# Allegro board TDI_KU5P_QSFP28_CXP_V001-20240805_1841.brd (continued)
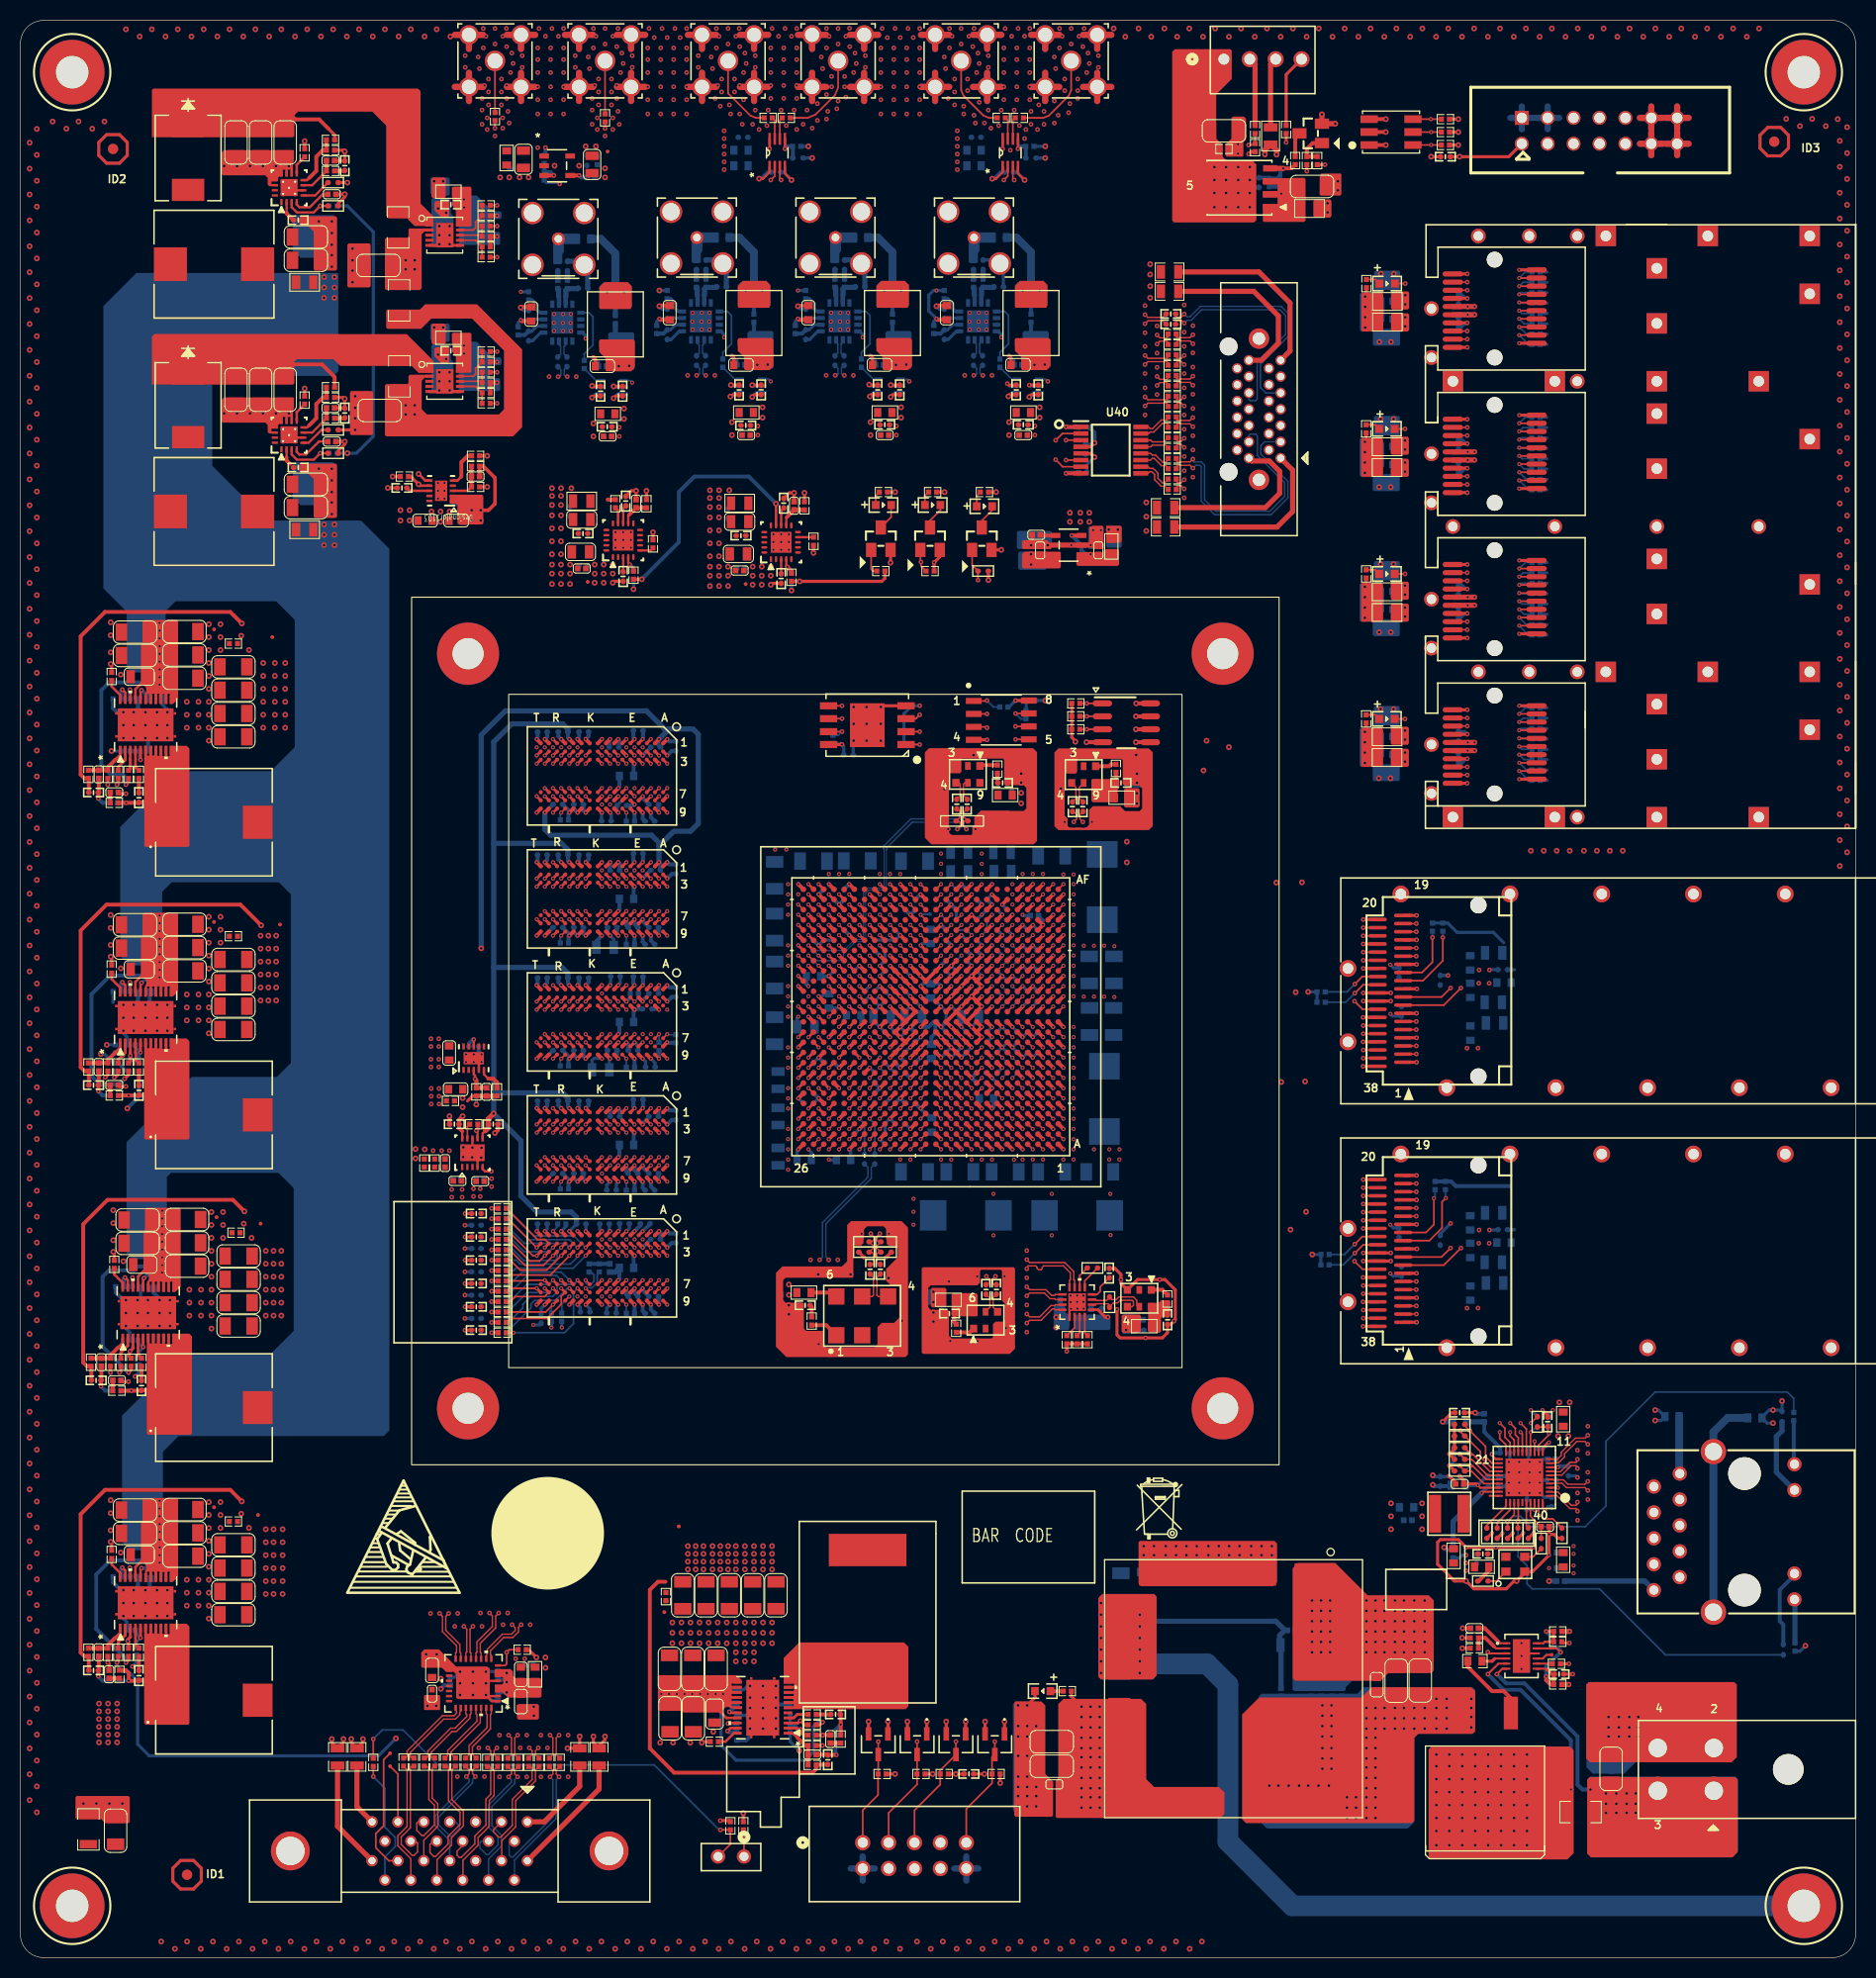
[diagram p0: board, top side]
## Footprints (pads in the part's own frame, mm; a bottom-side part is the same pattern mirrored in y, then rotated) (continued)
HD-BNC_5PIN
  round 1.27 hole 0.762: 1(0,0)
  round 2.21 hole 1.702: 2(-2.54,2.54) 3(-2.54,-2.54) 4(2.54,-2.54) 5(2.54,2.54)
IHLP4040DZERR
  rect 2.921x3.251 smd: 1(-4.28,0) 2(4.28,0)
KRJ-320DNL_14P
  round 3.2 hole 3.2 unplated: (-5.715,0) (5.715,0)
  round 1.4 hole 0.899: 1(-5.715,8.89) 2(-4.445,6.35) 3(-3.175,8.89) 4(-1.905,6.35) 5(-0.635,8.89) 6(0.635,6.35) 7(1.905,8.89) 8(3.175,6.35) 9(4.445,8.89) 10(5.715,6.35) 11(-6.629,-4.9) 12(-4.089,-4.9) 13(4.089,-4.9) 14(6.629,-4.9)
  round 2.499 hole 1.699: 17(7.874,3.051) 18(-7.874,3.051)
L0402
  rect 0.508x0.508 smd: 1(-0.401,0) 2(0.401,0)
L0603
  rect 0.711x0.889 smd: 1(-0.701,0) 2(0.701,0)
L0805
  rect 0.813x1.346 smd: 1(-0.851,0) 2(0.851,0)
LED_0603
  rect 0.759x0.8 smd: 1(-0.759,0) 2(0.759,0)
LMK1D1204RGT
  rect 0.813x0.254 smd: 1(-1.448,0.749) 2(-1.448,0.249) 3(-1.448,-0.249) 4(-1.448,-0.749) 9(1.448,-0.749) 10(1.448,-0.249) 11(1.448,0.249) 12(1.448,0.749)
  rect 0.254x0.813 smd: 5(-0.749,-1.448) 6(-0.249,-1.448) 7(0.249,-1.448) 8(0.749,-1.448) 13(0.749,1.448) 14(0.249,1.448) 15(-0.249,1.448) 16(-0.749,1.448)
  rect 1.727x1.727 smd: 17(0,0)
LT4356HDE-1
  rect 0.711x0.203 smd: 1(-1.45,1.25) 2(-1.45,0.749) 3(-1.45,0.249) 4(-1.45,-0.249) 5(-1.45,-0.749) 6(-1.45,-1.25) 7(1.45,-1.25) 8(1.45,-0.749) 9(1.45,-0.249) 10(1.45,0.249) 11(1.45,0.749) 12(1.45,1.25)
  rect 1.702x3.302 smd: 13(0,0)
MH_250H125
  round 6.35 hole 3.175: 1(0,0)
MT25QU512ABB1EW9
  rect 1.699x0.701 smd: 1(-3.8,1.9) 2(-3.8,0.64) 3(-3.8,-0.64) 4(-3.8,-1.9) 5(3.8,-1.9) 6(3.8,-0.64) 7(3.8,0.64) 8(3.8,1.9)
  rect 3.401x4.3 smd: 9(0,0)
NDS331N
  rect 1.016x1.397 smd: 1(-0.95,-1.1) 2(0.95,-1.1) 3(0,1.1)
NRS4018T2R2MDGJ
  rect 1.199x3.701 smd: 1(-1.4,0) 2(1.4,0)
PA0513_441NLT
  rect 3.175x7.62 smd: 1(-6.195,0) 2(5.994,0)
POWERPAK_SO-8
  rect 1.397x0.635 smd: 1(-3.005,1.905) 2(-3.005,0.635) 3(-3.005,-0.635) 4(-3.005,-1.905)
  custom 5.202x4.801 smd: 5(1.113,0)
  round 0.254 smd: 6(3.299,-0.701) 7(3.299,0.569) 8(3.299,1.839)
PSMN1R1
  rect 10.795x10.414 smd: D(0,1.016)
  rect 1.4x3.2 smd: G(-2.54,-7.684) S(2.54,-7.684)
QFN_4X4MM_EQCO125
  rect 0.724x0.401 smd: 1(-1.814,0.975) 2(-1.814,0.325) 3(-1.814,-0.325) 4(-1.814,-0.975) 9(1.814,-0.975) 10(1.814,-0.325) 11(1.814,0.325) 12(1.814,0.975)
  rect 0.401x0.724 smd: 5(-0.975,-1.814) 6(-0.325,-1.814) 7(0.325,-1.814) 8(0.975,-1.814) 13(0.975,1.814) 14(0.325,1.814) 15(-0.325,1.814) 16(-0.975,1.814)
  rect 2.149x2.149 smd: 17(0,0)
QPI-5LZ
  rect 3.277x2.184 smd: 1(-7.62,-11.201) 2(-2.54,-11.201) 3(2.54,-11.201) 4(7.62,-11.201) 9(7.62,11.201) 10(2.54,11.201) 11(-2.54,11.201) 12(-7.62,11.201)
  rect 2.184x3.277 smd: 5(11.201,-7.62) 6(11.201,-2.54) 7(11.201,2.54) 8(11.201,7.62) 13(-11.201,7.62) 14(-11.201,2.54) 15(-11.201,-2.54) 16(-11.201,-7.62)
QSFP_38
  round 1.6 hole 1.6 unplated: (-1.4,-7.371) (15.4,-7.371)
  oval 0.356x1.803 smd: 1(0,0) 2(0.8,0) 3(1.6,0) 4(2.4,0) 5(3.2,0) 6(4,0) 7(4.801,0) 8(5.601,0) 9(6.401,0) 10(7.201,0) 11(8.001,0) 12(8.801,0) 13(9.601,0) 14(10.399,0) 15(11.199,0) 16(11.999,0) 17(12.799,0) 18(13.599,0) 19(14.399,0) 20(14,2.51) 21(13.2,2.51) 22(12.4,2.51) 23(11.6,2.51) 24(10.8,2.51) 25(10,2.51) 26(9.2,2.51) 27(8.4,2.51) 28(7.6,2.51) 29(6.8,2.51) 30(5.999,2.51) 31(5.199,2.51) 32(4.399,2.51) 33(3.599,2.51) 34(2.799,2.51) 35(1.999,2.51) 36(1.199,2.51) 37(0.401,2.51) 38(-0.401,2.51)
R0402
  rect 0.508x0.508 smd: 1(-0.401,0) 2(0.401,0)
R0402_BGA
  custom 0.559x0.508 smd: 1(-0.508,0) 2(0.508,0)
R0603
  rect 0.711x0.889 smd: 1(-0.701,0) 2(0.701,0)
R0805
  rect 0.813x1.346 smd: 1(-0.851,0) 2(0.851,0)
R1206
  rect 0.838x1.702 smd: 1(-1.45,0) 2(1.45,0)
RF2-04A-T-00-50-G
  round 2.007 hole 1.499: 1(0,0)
  round 1.905 hole 1.397: 2(-2.553,2.553) 3(-2.553,-2.553) 4(2.553,-2.553) 5(2.553,2.553)
RTE0016C
  rect 0.599x0.239 smd: 1(-1.4,0.749) 2(-1.4,0.249) 3(-1.4,-0.249) 4(-1.4,-0.749) 9(1.4,-0.749) 10(1.4,-0.249) 11(1.4,0.249) 12(1.4,0.749)
  rect 0.239x0.599 smd: 5(-0.749,-1.4) 6(-0.249,-1.4) 7(0.249,-1.4) 8(0.749,-1.4) 13(0.749,1.4) 14(0.249,1.4) 15(-0.249,1.4) 16(-0.749,1.4)
  rect 1.679x1.679 smd: 17(0.025,0)
  round 0.5 hole 0.203: 18(0.589,0.589) 19(0.589,-0.589) 20(-0.589,-0.589) 21(-0.589,0.589) 22(0,0)
RTL8211FI-CG
  rect 0.701x0.201 smd: 1(-2.451,1.801) 2(-2.451,1.4) 3(-2.451,1.001) 4(-2.451,0.599) 5(-2.451,0.201) 6(-2.451,-0.201) 7(-2.451,-0.599) 8(-2.451,-1.001) 9(-2.451,-1.4) 10(-2.451,-1.801) 21(2.451,-1.801) 22(2.451,-1.4) 23(2.451,-1.001) 24(2.451,-0.599) 25(2.451,-0.201) 26(2.451,0.201) 27(2.451,0.599) 28(2.451,1.001) 29(2.451,1.4) 30(2.451,1.801)
  rect 0.201x0.701 smd: 11(-1.801,-2.451) 12(-1.4,-2.451) 13(-1.001,-2.451) 14(-0.599,-2.451) 15(-0.201,-2.451) 16(0.201,-2.451) 17(0.599,-2.451) 18(1.001,-2.451) 19(1.4,-2.451) 20(1.801,-2.451) 31(1.801,2.451) 32(1.4,2.451) 33(1.001,2.451) 34(0.599,2.451) 35(0.201,2.451) 36(-0.201,2.451) 37(-0.599,2.451) 38(-1.001,2.451) 39(-1.4,2.451) 40(-1.801,2.451)
  rect 3.701x3.701 smd: 41(0,0)
SBH11-PBPC-D05-ST-BK
  round 1.499 hole 0.991: 1(0,0) 2(0,-2.54) 3(2.54,0) 4(2.54,-2.54) 5(5.08,0) 6(5.08,-2.54) 7(7.62,0) 8(7.62,-2.54) 9(10.16,0) 10(10.16,-2.54)
SBH11-PBPC-D07-ST-BK
  round 1.372 hole 1.016: 1(-2.54,0) 3(-2.54,-2.54) 4(0,-2.54) 5(-2.54,-5.08) 6(0,-5.08) 7(-2.54,-7.62) 8(0,-7.62) 9(-2.54,-10.16) 10(0,-10.16) 11(-2.54,-12.7) 12(0,-12.7) 13(-2.54,-15.24) 14(0,-15.24)
  rect 1.372x1.372 hole 1.016: 2(0,0)
SFP_1X4_CAGE
  round 1.549 hole 1.549 unplated: (-54.676,30.899) (-45.075,30.899) (-40.424,30.899) (-30.825,30.899) (-26.175,30.899) (-16.576,30.899) (-11.925,30.899) (-2.324,30.899)
  rect 2.007x2.007 hole 1.049: 1(-57,35.001) 3(-57,24.999) 5(-57,15.001) 6(-57,4.999) 7(-48.425,0) 8(-42.751,0) 9(-34.176,0) 10(-19.924,0) 11(-5.674,0) 12(0,0) 14(-14.249,4.999) 15(-42.751,10) 16(0,10) 17(-51.326,15.001) 18(-45.926,15.001) 19(-37.074,15.001) 20(-31.674,15.001) 22(-22.824,15.001) 23(-17.424,15.001) 24(-14.249,15.001) 25(-8.575,15.001) 26(-3.175,15.001) 27(-42.751,20) 28(0,20) 33(-14.249,24.999) 39(-14.249,35.001)
  round 1.448 hole 0.95: 2(-7.125,37.099) 4(-57,22.799) 13(-28.499,4.999) 21(-28.499,15.001) 29(-42.751,22.799) 30(-14.249,22.799) 31(0,22.799) 32(-28.499,24.999) 34(-42.751,27.501) 35(0,27.501) 36(-42.751,32.499) 37(0,32.499) 38(-28.499,35.001) 40(-54.676,37.099) 41(-49.875,37.099) 42(-40.424,37.099) 43(-35.626,37.099) 44(-26.175,37.099) 45(-21.374,37.099) 46(-11.925,37.099)
  oval 0.508x2.007 smd: A1(-53.274,26.8) A2(-52.474,26.8) A3(-51.674,26.8) A4(-50.876,26.8) A5(-50.076,26.8) A6(-49.276,26.8) A7(-48.476,26.8) A8(-47.676,26.8) A9(-46.876,26.8) A10(-46.076,26.8) A11(-46.474,35.001) A12(-47.274,35.001) A13(-48.075,35.001) A14(-48.875,35.001) A15(-49.675,35.001) A16(-50.475,35.001) A17(-51.275,35.001) A18(-52.075,35.001) A19(-52.875,35.001) A20(-53.675,35.001) B1(-39.025,26.8) B2(-38.224,26.8) B3(-37.424,26.8) B4(-36.624,26.8) B5(-35.824,26.8) B6(-35.024,26.8) B7(-34.224,26.8) B8(-33.424,26.8) B9(-32.624,26.8) B10(-31.826,26.8) B11(-32.225,35.001) B12(-33.025,35.001) B13(-33.825,35.001) B14(-34.625,35.001) B15(-35.425,35.001) B16(-36.225,35.001) B17(-37.026,35.001) B18(-37.826,35.001) B19(-38.626,35.001) B20(-39.426,35.001) C1(-24.775,26.8) C2(-23.975,26.8) C3(-23.175,26.8) C4(-22.375,26.8) C5(-21.575,26.8) C6(-20.775,26.8) C7(-19.975,26.8) C8(-19.174,26.8) C9(-18.374,26.8) C10(-17.574,26.8) C11(-17.976,35.001) C12(-18.776,35.001) C13(-19.576,35.001) C14(-20.376,35.001) C15(-21.176,35.001) C16(-21.976,35.001) C17(-22.774,35.001) C18(-23.576,35.001) C19(-24.374,35.001) C20(-25.174,35.001) D1(-10.526,26.8) D2(-9.726,26.8) D3(-8.926,26.8) D4(-8.125,26.8) D5(-7.325,26.8) D6(-6.525,26.8) D7(-5.725,26.8) D8(-4.925,26.8) D9(-4.125,26.8) D10(-3.325,26.8) D11(-3.724,35.001) D12(-4.526,35.001) D13(-5.324,35.001) D14(-6.124,35.001) D15(-6.924,35.001) D16(-7.724,35.001) D17(-8.524,35.001) D18(-9.324,35.001) D19(-10.124,35.001) D20(-10.925,35.001)
SIT5021
  rect 1.6x1.6 smd: 1(-2.54,-1.9) 2(0,-1.9) 3(2.54,-1.9) 4(2.54,1.9) 5(0,1.9) 6(-2.54,1.9)
SMC
  rect 2.179x3.18 smd: 1(-3.127,0) 2(3.127,0)
SMD-3225
  rect 0.711x0.762 smd: 1(-1.176,-0.826) 3(1.176,-0.826) 4(1.176,0.826) 6(-1.176,0.826)
  rect 0.559x0.762 smd: 2(0,-0.826) 5(0,0.826)
SN74AXC1T45DCKR
  rect 0.351x0.851 smd: 1(-0.65,-1.1) 2(0,-1.1) 3(0.65,-1.1) 4(0.65,1.1) 5(0,1.1) 6(-0.65,1.1)
SN74LVC2T45_VSSOP8
  rect 1.168x0.254 smd: 1(-1.372,0.749) 2(-1.372,0.249) 3(-1.372,-0.249) 4(-1.372,-0.749) 5(1.372,-0.749) 6(1.372,-0.249) 7(1.372,0.249) 8(1.372,0.749)
SOP65P640X120-16N
  rect 1.476x0.45 smd: 1(-2.939,2.276) 2(-2.939,1.626) 3(-2.939,0.975) 4(-2.939,0.325) 5(-2.939,-0.325) 6(-2.939,-0.975) 7(-2.939,-1.626) 8(-2.939,-2.276) 9(2.939,-2.276) 10(2.939,-1.626) 11(2.939,-0.975) 12(2.939,-0.325) 13(2.939,0.325) 14(2.939,0.975) 15(2.939,1.626) 16(2.939,2.276)
SOT-23
  rect 0.559x1.321 smd: 1(-0.953,-1.016) 2(0.953,-1.016) 3(0,1.016)
SPX3819M5-L-1-8
  rect 0.953x0.508 smd: 1(-1.275,0.95) 2(-1.275,0) 3(-1.275,-0.95) 4(1.275,-0.95) 5(1.275,0.95)
TESTPOINT
  round 0.381 smd: 1(0,0)
THS103J
  rect 0.76x1.7 smd: 1(-1.27,2.15) 2(0,2.15) 3(1.27,2.15) 4(1.27,-2.15) 5(0,-2.15) 6(-1.27,-2.15)
TMP75BID
  oval 1.9x0.599 smd: 1(-2.349,1.905) 2(-2.349,0.635) 3(-2.349,-0.635) 4(-2.349,-1.905) 5(2.349,-1.905) 6(2.349,-0.635) 7(2.349,0.635) 8(2.349,1.905)
TPS7A8500ARGR
  oval 0.599x0.239 smd: 1(-1.651,1.001) 2(-1.651,0.5) 3(-1.651,0) 4(-1.651,-0.5) 5(-1.651,-1.001) 11(1.651,-1.001) 12(1.651,-0.5) 13(1.651,0) 14(1.651,0.5) 15(1.651,1.001)
  oval 0.239x0.599 smd: 6(-1.001,-1.651) 7(-0.5,-1.651) 8(0,-1.651) 9(0.5,-1.651) 10(1.001,-1.651) 16(1.001,1.651) 17(0.5,1.651) 18(0,1.651) 19(-0.5,1.651) 20(-1.001,1.651)
  rect 2.05x2.05 smd: 21(0,0)
TPS7A9201DSKR
  rect 0.599x0.249 smd: 1(-1.151,1.001) 2(-1.151,0.5) 3(-1.151,0) 4(-1.151,-0.5) 5(-1.151,-1.001) 6(1.151,-1.001) 7(1.151,-0.5) 8(1.151,0) 9(1.151,0.5) 10(1.151,1.001)
  rect 1.199x1.999 smd: 11(0,0)
TPS51200DRC
  rect 0.599x0.239 smd: 1(-1.4,1.001) 2(-1.4,0.5) 3(-1.4,0) 4(-1.4,-0.5) 5(-1.4,-1.001) 6(1.4,-1.001) 7(1.4,-0.5) 8(1.4,0) 9(1.4,0.5) 10(1.4,1.001)
  rect 1.651x2.4 smd: 11(0,0)
TPS53353DQP
  rect 0.851x0.279 smd: 1(-2.474,2.499) 2(-2.474,1.999) 3(-2.474,1.501) 4(-2.474,1.001) 5(-2.474,0.5) 6(-2.474,0) 7(-2.474,-0.5) 8(-2.474,-1.001) 9(-2.474,-1.501) 10(-2.474,-1.999) 11(-2.474,-2.499) 12(2.474,-2.499) 13(2.474,-1.999) 14(2.474,-1.501) 15(2.474,-1.001) 16(2.474,-0.5) 17(2.474,0) 18(2.474,0.5) 19(2.474,1.001) 20(2.474,1.501) 21(2.474,1.999) 22(2.474,2.499)
  rect 3.241x5.479 smd: 23(0,0)
unnamed#2
  round 1.016 smd: 1(0,0)

## Nets
1V2_ROVP: R236.2 R238.2 U25.5(ROVP)
1V5_ROVP: R211.2 R213.1 U22.5(ROVP)
1V8_ROVP: R248.2 R250.1 U26.5(ROVP)
3V3_ROVP: R267.2 R269.1 U27.5(ROVP)
AVDD10: C327.1 C328.1(CAP2) C329.1(CAP2) C330.1(CAP2) L35.2 U19.3(AVDD10#3) U19.8(AVDD10#8) U19.38(AVDD10#38)
AVDD33: C324.1 C325.1(CAP2) C326.1(CAP2) L36.2 U19.11(AVDD33#11) U19.40(AVDD33#40)
DVDD10: C333.1 C334.1(CAP2) L38.2 U19.21(DVDD10)
DVDD33: C331.1 C332.1(CAP2) L37.2 U19.29(DVDD33)
DVDDRGMII: C313.1 C314.1(CAP2) L30.2 U19.28(DVDDRG)
